# Altium PCB RFFE.PcbDoc (part 6 of 7)
Units mm, origin at the board's own origin, x right, y up, seen from the top; angles counter-clockwise.
Board outline 301.13 x 195.92 mm, 10 copper layers (RFsignal Top, Ground RF signal, Supply, SupplyGND, Digital signal, DigitalGND, CallTone RF, Ground Calltone, Ground RF signal (Plane6), RFsignal Bottom), stack 1.907 mm thick; 558 components, 369 nets, 2153 pads, 4580 vias.
Unrouted connection lines stored in the file: 1.
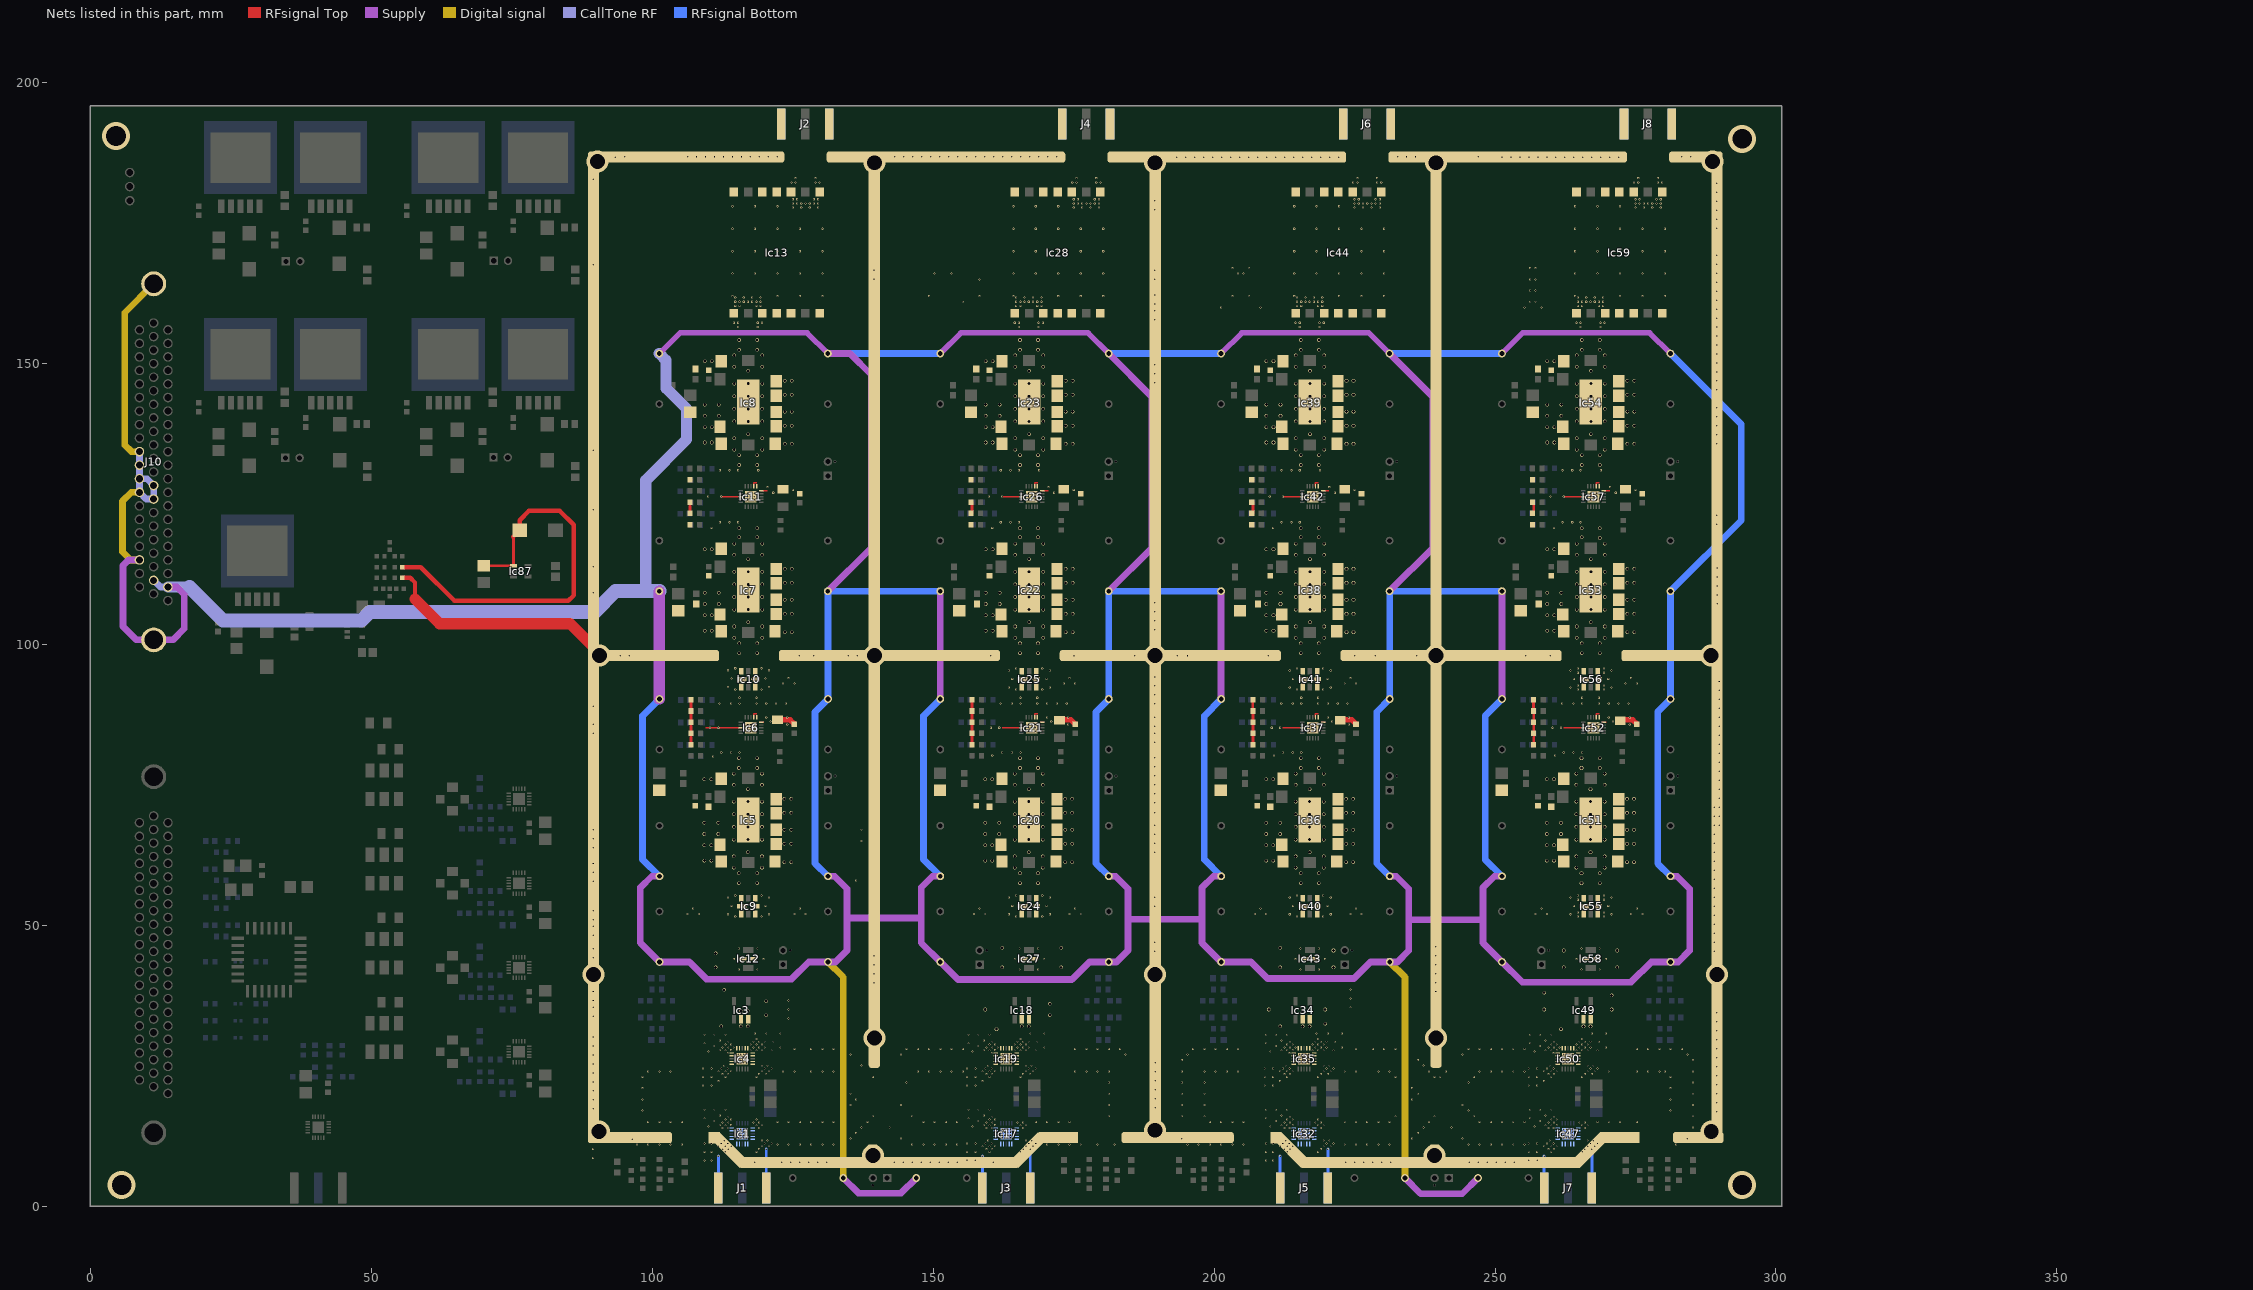
[diagram p14: the nets of this part, all layers, seen from the top]

## Via types
v1: diameter 0.35, hole 0.254, RFsignal Top to RFsignal Bottom, 1882 vias
v2: diameter 0.635, hole 0.508, RFsignal Top to RFsignal Bottom, 1038 vias
v3: diameter 0.33, hole 0.254, RFsignal Top to RFsignal Bottom, 963 vias
v4: diameter 0.381, hole 0.254, RFsignal Top to RFsignal Bottom, 596 vias
v5: diameter 1.27, hole 0.762, RFsignal Top to RFsignal Bottom, 41 vias
v6: diameter 3.9, hole 2.65, RFsignal Top to RFsignal Bottom, 20 vias
v7: diameter 0.85, hole 0.8, RFsignal Top to RFsignal Bottom, 15 vias
v8: diameter 0.635, hole 0.508, RFsignal Top to RFsignal Bottom, tented bottom, 9 vias
v9: diameter 0.6, hole 0.508, RFsignal Top to RFsignal Bottom, 8 vias
v10: diameter 5, hole 3.5, RFsignal Top to RFsignal Bottom, 4 vias
v11: diameter 1.1, hole 1, RFsignal Top to RFsignal Bottom, 2 vias
v12: diameter 1.27, hole 0.762, RFsignal Top to RFsignal Bottom, tented top, 1 vias
v13: diameter 0.85, hole 0.8, RFsignal Top to RFsignal Bottom, tented top, 1 vias

## Nets (pads, with @x,y where several pads share a name; then routed paths per layer and width w, separated by ;. In a path a pad name is that pad's centre, name@x,y a point inside that pad or via, vN(x,y) a via of type N, cw(c..) or ccw(c..) an arc to the next point about the centre after c; other vN are vias at no path point) (continued)
RFGND: C1.1 C2.2 C3.1 C4.2 C5.2 C6.2 C7.2 C22.2 C23.1 C24.1 C25.2 C26.2 C27.2 C28.2 C43.2 C44.2 C45.1 C46.2 C47.2 C48.2 C49.2 C64.1 C65.2 C66.1 C67.2 C68.2 C69.2 C70.2 C131.2 C132.2 C133.2 C134.2 C135.2 C136.2 C137.2 C138.2 C139.2 C140.2 C141.2 C142.2 C143.2 C144.2 C145.2 C146.2 C147.2 C148.2 C149.2 C150.2 C151.2 C152.2 C153.2 C154.2 Ic1.1 Ic1.2 Ic1.4 Ic1.5 Ic1.6 Ic1.7 Ic1.9 Ic1.10 Ic1.11 Ic1.12 Ic1.14 Ic1.15 Ic1.21 Ic3.1 Ic3.2 Ic4.1 Ic4.2 Ic4.4 Ic4.5 Ic4.6 Ic4.7 Ic4.9 Ic4.10 Ic4.11 Ic4.12 Ic4.14 Ic4.15 Ic4.21 Ic5.1 Ic5.2 Ic5.3 Ic5.4 Ic5.6 Ic5.8 Ic5.9 Ic5.11 Ic5.12 Ic6.10 Ic6.11 Ic6.12 Ic6.18 Ic6.21 Ic7.1 Ic7.2 Ic7.3 Ic7.4 Ic7.6 Ic7.8 Ic7.9 Ic7.11 Ic7.12 Ic8.1 Ic8.2 Ic8.3 Ic8.4 Ic8.6 Ic8.8 Ic8.9 Ic8.11 Ic8.12 Ic9.1 Ic9.3 Ic9.4 Ic9.5 Ic9.7 Ic9.8 Ic10.1 Ic10.3 Ic10.4 Ic10.5 Ic10.7 Ic10.8 Ic11.10 Ic11.11 Ic11.12 Ic11.18 Ic11.21 Ic12.2 Ic12.4 Ic13.1 Ic13.3 Ic13.4 Ic13.5 Ic13.7 Ic13.8 Ic13.10 Ic13.11 Ic13.12 Ic13.14 Ic17.1 Ic17.2 Ic17.4 Ic17.5 Ic17.6 Ic17.7 Ic17.9 Ic17.10 Ic17.11 Ic17.12 Ic17.14 Ic17.15 Ic17.21 Ic18.1 Ic18.2 Ic19.1 Ic19.2 Ic19.4 Ic19.5 Ic19.6 Ic19.7 Ic19.9 Ic19.10 Ic19.11 Ic19.12 Ic19.14 Ic19.15 Ic19.21 Ic20.1 Ic20.2 Ic20.3 Ic20.4 Ic20.6 Ic20.8 Ic20.9 Ic20.11 Ic20.12 Ic21.10 Ic21.11 Ic21.12 Ic21.18 Ic21.21 Ic22.1 Ic22.2 Ic22.3 Ic22.4 Ic22.6 Ic22.8 Ic22.9 Ic22.11 Ic22.12 Ic23.1 Ic23.2 Ic23.3 Ic23.4 Ic23.6 Ic23.8 Ic23.9 Ic23.11 Ic23.12 Ic24.1 Ic24.3 Ic24.4 Ic24.5 Ic24.7 Ic24.8 Ic25.1 Ic25.3 Ic25.4 Ic25.5 Ic25.7 Ic25.8 Ic26.10 Ic26.11 Ic26.12 Ic26.18 Ic26.21 Ic27.2 Ic27.4 Ic28.1 Ic28.3 Ic28.4 Ic28.5 Ic28.7 Ic28.8 Ic28.10 Ic28.11 Ic28.12 Ic28.14 Ic32.1 Ic32.2 Ic32.4 Ic32.5 Ic32.6 Ic32.7 Ic32.9 Ic32.10 Ic32.11 Ic32.12 Ic32.14 Ic32.15 Ic32.21 Ic34.1 Ic34.2 Ic35.1 Ic35.2 Ic35.4 Ic35.5 Ic35.6 Ic35.7 Ic35.9 Ic35.10 Ic35.11 Ic35.12 Ic35.14 Ic35.15 Ic35.21 Ic36.1 Ic36.2 Ic36.3 Ic36.4 Ic36.6 Ic36.8 Ic36.9 Ic36.11 Ic36.12 Ic37.10 Ic37.11 Ic37.12 Ic37.18 Ic37.21 Ic38.1 Ic38.2 Ic38.3 Ic38.4 Ic38.6 Ic38.8 Ic38.9 Ic38.11 Ic38.12 Ic39.1 Ic39.2 Ic39.3 Ic39.4 Ic39.6 Ic39.8 Ic39.9 Ic39.11 Ic39.12 Ic40.1 Ic40.3 Ic40.4 Ic40.5 Ic40.7 Ic40.8 Ic41.1 Ic41.3 Ic41.4 Ic41.5 Ic41.7 Ic41.8 Ic42.10 Ic42.11 Ic42.12 Ic42.18 Ic42.21 Ic43.2 Ic43.4 Ic44.1 Ic44.3 Ic44.4 Ic44.5 Ic44.7 Ic44.8 Ic44.10 Ic44.11 Ic44.12 Ic44.14 Ic47.1 Ic47.2 Ic47.4 Ic47.5 Ic47.6 Ic47.7 Ic47.9 Ic47.10 Ic47.11 Ic47.12 Ic47.14 Ic47.15 Ic47.21 Ic49.1 Ic49.2 Ic50.1 Ic50.2 Ic50.4 Ic50.5 Ic50.6 Ic50.7 Ic50.9 Ic50.10 Ic50.11 Ic50.12 Ic50.14 Ic50.15 Ic50.21 Ic51.1 Ic51.2 Ic51.3 Ic51.4 Ic51.6 Ic51.8 Ic51.9 Ic51.11 Ic51.12 Ic52.10 Ic52.11 Ic52.12 Ic52.18 Ic52.21 Ic53.1 Ic53.2 Ic53.3 Ic53.4 Ic53.6 Ic53.8 Ic53.9 Ic53.11 Ic53.12 Ic54.1 Ic54.2 Ic54.3 Ic54.4 Ic54.6 Ic54.8 Ic54.9 Ic54.11 Ic54.12 Ic55.1 Ic55.3 Ic55.4 Ic55.5 Ic55.7 Ic55.8 Ic56.1 Ic56.3 Ic56.4 Ic56.5 Ic56.7 Ic56.8 Ic57.10 Ic57.11 Ic57.12 Ic57.18 Ic57.21 Ic58.2 Ic58.4 Ic59.1 Ic59.3 Ic59.4 Ic59.5 Ic59.7 Ic59.8 Ic59.10 Ic59.11 Ic59.12 Ic59.14 J1.1 J1.2 J1.3 J1.4 J2.1 J2.2 J2.3 J2.4 J3.1 J3.2 J3.3 J3.4 J4.1 J4.2 J4.3 J4.4 J5.1 J5.2 J5.3 J5.4 J6.1 J6.2 J6.3 J6.4 J7.1 J7.2 J7.3 J7.4 J8.1 J8.2 J8.3 J8.4 Jmp6.1 pad.0 R1.1 R2.1 R3.1 R4.1 R5.1 R7.1 R8.1 R9.1 R12.1 R51.1 R52.1 R53.1 R54.1 R55.1 R57.1 R58.1 R59.1 R62.1 R99.1 R100.1 R101.1 R102.1 R103.1 R105.1 R106.1 R107.1 R110.1 R149.1 R150.1 R151.1 R152.1 R153.1 R155.1 R156.1 R157.1 R160.1 | length 193.7
  RFsignal Top w0.254: 109.5,85.15 Ic6.18@115.695,85.15 ; v4(112.25,126.32) Ic11.18@115.695,126.32 ; Ic6.12@118.04,86.995 118.04,87.615 118.555,87.615 ; Ic11.12@118.04,128.165 118.04,128.785 118.555,128.785 ; Ic6.10@119.04,86.15 Ic6.10@119.78,86.15 ; Ic11.10@119.385,127.32 120.438,127.32 ; 162.25,85.15 Ic21.18@165.695,85.15 ; v4(162.25,126.32) Ic26.18@165.695,126.32 ; Ic21.12@168.04,86.995 168.04,87.615 168.555,87.615 ; Ic26.12@168.04,128.165 168.04,128.785 168.555,128.785 ; Ic21.10@169.04,86.15 Ic21.10@169.78,86.15 ; Ic26.10@169.385,127.32 170.438,127.32 ; 212.25,85.15 Ic37.18@215.695,85.15 ; v4(212.25,126.32) Ic42.18@215.695,126.32 ; Ic37.12@218.04,86.995 218.04,87.615 218.555,87.615 ; Ic42.12@218.04,128.165 218.04,128.785 218.555,128.785 ; Ic37.10@219.04,86.15 Ic37.10@219.78,86.15 ; Ic42.10@219.385,127.32 220.438,127.32 ; 262.25,85.15 Ic52.18@265.695,85.15 ; v4(262.25,126.32) Ic57.18@265.695,126.32 ; Ic57.21@267.54,126.32 Ic57.21@267.54,126.933 ; Ic52.12@268.04,86.995 268.04,87.615 268.555,87.615 ; Ic57.12@268.04,128.144 Ic57.12@268.04,128.165 268.04,128.785 268.555,128.785 ; Ic57.11@268.54,128.144 Ic57.11@268.54,128.165 ; Ic52.10@269.04,86.15 Ic52.10@269.78,86.15 ; Ic57.10@269.385,127.32 270.438,127.32
  RFsignal Top w0.508: R2.1@106.7,123.32 R4.1@106.7,125.32 ; R8.1@106.869,129.32 R8.1@106.89,129.32 ; R3.1@106.89,84.15 R1.1@106.89,82.15 R5.1@106.89,86.15 R7.1@106.89,88.15 106.869,88.15 106.869,90.15 R9.1@106.89,90.15 ; R58.1@156.869,129.32 R58.1@156.89,129.32 ; R51.1@156.89,82.15 R57.1@156.89,88.15 156.869,88.15 156.869,90.15 R59.1@156.89,90.15 ; R52.1@156.89,123.32 R54.1@156.89,125.32 ; R106.1@206.869,129.32 R106.1@206.89,129.32 ; R99.1@206.89,82.15 R105.1@206.89,88.15 206.869,88.15 206.869,90.15 R107.1@206.89,90.15 ; R100.1@206.89,123.32 R102.1@206.89,125.32 ; R156.1@256.869,129.32 R156.1@256.89,129.32 ; R149.1@256.89,82.15 R155.1@256.89,88.15 256.869,88.15 256.869,90.15 R157.1@256.89,90.15 ; R150.1@256.89,123.32 R152.1@256.89,125.32
  RFsignal Top w0.762: Jmp6.1@55.531,111.85 56.886,111.85 57.731,111.005 57.731,108.069
  RFsignal Top w0.965: C4.2@122.25,86.55 124.5,86.55 C5.2@125.25,85.8 ; C25.2@172.25,86.55 174.5,86.55 C26.2@175.25,85.8 ; C46.2@222.25,86.55 224.5,86.55 C47.2@225.25,85.8 ; C67.2@272.25,86.55 274.5,86.55 C68.2@275.25,85.8
  RFsignal Top w2: 57.731,108.069 62.11,103.69 85.33,103.69 pad.0@89.5,99.52
  RFsignal Bottom w0.508: J1.2@111.751,3.25 v3(111.75,8.9) ; J1.1@120.251,3.25 v3@120.251,10.149 ; J3.2@158.751,3.25 v3(158.75,8.9) ; J3.1@167.251,3.25 v3@167.251,10.149 ; J5.2@211.751,3.25 v3(211.75,8.9) ; J5.1@220.251,3.25 v3@220.251,10.149 ; J7.2@258.751,3.25 v3(258.75,8.9) ; J7.1@267.251,3.25 v3@267.251,10.149
  other v1: 118.25,7.8 123.05,7.8 124.65,7.8 126.25,7.8 127.85,7.8 129.45,7.8 131.05,7.8 143.05,7.8 144.65,7.8 146.25,7.8 147.85,7.8 149.45,7.8 151.05,7.8 152.65,7.8 154.25,7.8 160.65,7.8 223.45,7.8 225.05,7.8 226.65,7.8 228.25,7.8 229.85,7.8 231.45,7.8 245.45,7.8 247.05,7.8 248.65,7.8 250.25,7.8 251.85,7.8 253.45,7.8 89.45,8.6 89.45,10.2 97.25,11 99.25,11 101.25,11 103.25,11 105.25,11 122.25,11 124.25,11 126.25,11 128.25,11 130.25,11 132.25,11 146.25,11 148.25,11 150.25,11 152.25,11 154.25,11 170.25,11 172.25,11 174.25,11 176.25,11 179.25,11 182.25,11 195.25,11 197.25,11 199.25,11 201.25,11 203.25,11 205.25,11 223.25,11 225.25,11 227.25,11 229.25,11 231.25,11 245.25,11 247.25,11 249.25,11 251.25,11 253.25,11 255.25,11 282.25,11 96.37,11.91 135.25,12 144.25,12 194.25,12 235.25,12 244.25,12 284.25,12 136.25,13 236.25,13 137.25,14 142.25,14 237.25,14 242.25,14 285.25,14 99.25,15 101.25,15 103.25,15 105.25,15 122.25,15 124.25,15 126.25,15 128.25,15 130.25,15 132.25,15 138.25,15 148.25,15 150.25,15 152.25,15 154.25,15 168.25,15 170.25,15 172.25,15 174.25,15 199.25,15 201.25,15 203.25,15 205.25,15 223.25,15 225.25,15 227.25,15 229.25,15 231.25,15 238.25,15 247.25,15 249.25,15 251.25,15 253.25,15 255.25,15 268.25,15 270.25,15 272.25,15 275.25,15 139.25,16 146.25,16 181.25,16 194.25,16 198.25,16 232.25,16 239.25,16 246.25,16 285.25,16 289.45,16.8 98.25,17 245.25,17 281.25,17 89.45,17.3 189.55,17.5 135.25,18 144.25,18 181.25,18 194.25,18 198.25,18 244.25,18 285.25,18 289.45,18.4 89.45,18.9 98.25,19 136.25,19 235.25,19 281.25,19 189.55,19.1 135.25,20 181.25,20 194.25,20 198.25,20 236.25,20 285.25,20 289.45,20 89.45,20.5 189.55,20.7 98.25,21 235.25,21 281.25,21 289.45,21.6 145.25,22 181.25,22 194.25,22 198.25,22 245.25,22 285.25,22 89.45,22.1 189.55,22.3 98.25,23 139.25,23 232.25,23 239.25,23 240.25,23 246.25,23 281.25,23 289.45,23.2 89.45,23.7 189.55,23.9 99.25,24 101.25,24 103.25,24 123.25,24 125.25,24 128.25,24 130.25,24 132.25,24 147.25,24 149.25,24 151.25,24 153.25,24 155.25,24 175.25,24 177.25,24 179.25,24 181.25,24 194.25,24 198.25,24 200.25,24 202.25,24 204.25,24 223.25,24 225.25,24 229.25,24 231.25,24 238.25,24 241.25,24 247.25,24 249.25,24 251.25,24 253.25,24 255.25,24 270.25,24 275.25,24 277.25,24 279.25,24 280.25,24 285.25,24 289.45,24.8 137.25,25 237.25,25 89.45,25.3 189.55,25.5 194.25,26 236.25,26 285.25,26 289.45,26.4 89.45,26.9 135.25,27 144.25,27 184.25,27 195.25,27 244.25,27 284.25,27 125.25,28 128.25,28 130.25,28 132.25,28 145.25,28 147.25,28 149.25,28 151.25,28 153.25,28 155.25,28 175.25,28 177.25,28 179.25,28 181.25,28 183.25,28 196.25,28 198.25,28 200.25,28 202.25,28 204.25,28 225.25,28 228.25,28 230.25,28 232.25,28 245.25,28 247.25,28 249.25,28 251.25,28 253.25,28 255.25,28 275.25,28 277.25,28 279.25,28 281.25,28 283.25,28 289.45,28 89.45,28.5 289.45,29.6 89.45,30.1 289.45,31.2 289.45,32.8 124.25,33.4 89.45,33.8 289.45,34.4 124.25,35 89.45,35.4 224.25,35.4 89.45,36.6 124.25,36.6 224.25,37 89.45,38.2 239.45,38.2 224.25,38.6 139.45,39.8 239.45,39.8 139.45,41.4 239.45,41.4 139.45,43 239.45,43 89.45,44.2 139.45,44.6 239.45,44.6 189.45,45.4 289.05,45.4 89.45,45.8 239.45,46.2 189.45,47 289.05,47 89.45,48.2 289.05,48.6 89.45,49.8 289.05,50.2 89.45,51 289.05,51.8 106.25,52 108.25,52 125.25,52 127.25,52 157.25,52 159.25,52 174.25,52 176.25,52 207.25,52 209.25,52 224.25,52 226.25,52 257.25,52 259.25,52 274.25,52 276.25,52 89.45,52.6 107.25,53 126.25,53 158.25,53 175.25,53 208.25,53 225.25,53 258.25,53 275.25,53 189.45,53.4 289.05,53.4 189.45,55 289.05,55 289.05,56.6 89.45,57.8 136.25,58 289.05,58.2 89.45,59.4 289.05,59.8 89.45,61 289.05,61.4 189.45,63 289.05,63 89.45,63.8 189.45,64.6 289.05,64.6 137.25,65 89.45,65.4 189.45,66.2 289.05,66.2 89.45,67 137.25,67 189.45,67.8 289.05,67.8 289.95,67.8 289.05,69.4 289.95,69.4 189.45,70 289.05,71 289.95,71 189.45,71.8 289.95,72.6 189.45,73.4 289.95,74.2 189.45,75 289.95,75.8 189.45,76.6 289.95,77.4 189.45,78.2 289.95,79 189.45,79.8 289.95,80.6 289.95,82.2 189.45,82.6 289.95,83.8 89.45,84.2 189.45,84.2 189.45,85.4 289.95,85.4 89.45,85.8 189.45,87 289.95,87 289.95,88.6 89.45,89 189.45,89.4 289.95,90.2 189.45,91 289.95,91.8 189.45,92.6 123.25,93 125.25,93 173.25,93 175.25,93 223.25,93 225.25,93 273.25,93 275.25,93 289.95,93.4 124.25,94 174.25,94 224.25,94 274.25,94 189.45,94.2 94.25,98 95.85,98 126.15,98 128.75,98 134.85,98 136.45,98 160.25,98 175.05,98 185.85,98 193.45,98 195.25,98 209.65,98 225.05,98 228.65,98 236.05,98 255.45,98 259.85,98 189.45,102.6 189.45,104.2 189.45,105.8 289.55,107.2 189.45,107.4 289.55,108.8 89.45,109.2 289.55,110.4 289.55,112 289.55,113.6 89.45,113.8 289.45,121.4 289.45,123 89.45,124 89.45,134.6 289.45,135.7 289.45,137.3 289.45,138.9 289.45,140.5 289.45,142.1 289.45,145.3 189.45,146.6 289.45,146.9 189.45,148.2 289.45,148.5 189.45,149.8 289.45,150.1 289.45,151.7 289.45,153.3 289.45,154.9 289.45,156.5 189.45,157.8 289.45,158.1 189.45,159.4 289.45,159.7 201.25,160 208.25,160 255.25,160 258.25,160 189.45,160.6 155.25,161 256.25,161 257.25,161 289.45,161.3 149.25,162 158.25,162 203.25,162 206.25,162 189.45,162.2 289.45,162.9 256.25,163 257.25,163 289.45,164.5 139.45,165 158.25,165 189.45,165 256.25,165 257.25,165 150.25,166 153.25,166 204.25,166 205.25,166 289.45,166.1 139.45,166.6 189.45,166.6 203.25,167 206.25,167 256.25,167 257.25,167 89.45,167.6 289.45,167.7 289.45,169.3 289.45,174.1 289.45,175.7 289.45,177.3 189.45,177.4 289.45,178.9 189.45,179 289.45,180.5 289.45,182.1 89.45,182.8 93.35,186.7 193.35,186.7 194.95,186.7 196.55,186.7 198.15,186.7 199.75,186.7 201.35,186.7 202.95,186.7 204.55,186.7 206.15,186.7 207.75,186.7 209.35,186.7 210.95,186.7 212.55,186.7 214.15,186.7 215.75,186.7 217.35,186.7 218.95,186.7 220.55,186.7 222.15,186.7 251.25,186.7 252.85,186.7 254.45,186.7 256.05,186.7 257.65,186.7 259.25,186.7 260.85,186.7 262.45,186.7 264.05,186.7 265.65,186.7 267.25,186.7 268.85,186.7 270.45,186.7 272.05,186.7 95.05,186.8 106.25,186.8 107.85,186.8 109.45,186.8 111.05,186.8 112.65,186.8 114.25,186.8 115.85,186.8 117.45,186.8 119.05,186.8 120.65,186.8 122.25,186.8 143.15,186.8 144.75,186.8 146.35,186.8 147.95,186.8 149.55,186.8 151.15,186.8 152.75,186.8 154.35,186.8 155.95,186.8 157.55,186.8 159.15,186.8 160.75,186.8 162.35,186.8 163.95,186.8 165.55,186.8 167.15,186.8 168.75,186.8 170.35,186.8 171.95,186.8 232.65,186.8 234.25,186.8 235.85,186.8 247.05,186.8 283.25,186.8 284.85,186.8
  other v2: 161.25,31.5 261.75,31.5 112.25,32 115.75,32 117,32 165.75,32 167,32 211.75,32 215.75,32 217,32 265.75,32 267,32 219.75,32.5 120.25,34 170.75,34 115.75,34.75 117,34.75 165.75,34.75 167,34.75 215.75,34.75 217,34.75 265.75,34.75 267,34.75 159.25,35 209.75,35 219.75,35 258.75,35 270.75,35 170.75,36 120.25,36.5 270.75,37.5 258.75,38 112.75,38.5 111.25,42.5 162.25,42.5 172.75,42.5 211.75,42.5 221.25,42.5 262.25,42.5 271.75,42.5 111.25,45 221.25,45.5 262.25,45.5 271.75,45.5 162.25,46 172.75,46 211.75,46 115.4,57.5 118.64,57.5 165.44,57.5 168.64,57.5 215.44,57.5 218.64,57.5 265.4,57.5 268.64,57.5 115.4,59.25 118.64,59.25 165.44,59.25 168.64,59.25 215.44,59.25 218.64,59.25 265.4,59.25 268.64,59.25 114.5,60.25 119.5,60.25 164.5,60.25 169.5,60.25 214.5,60.25 219.5,60.25 264.5,60.25 269.5,60.25 123.5,61.25 124.75,61.25 173.5,61.25 174.75,61.25 223.5,61.25 224.75,61.25 273.5,61.25 274.75,61.25 109.25,61.5 110.5,61.5 159.25,61.5 160.5,61.5 209.25,61.5 210.5,61.5 259.25,61.5 260.5,61.5 114.5,62.25 119.5,62.25 164.5,62.25 169.5,62.25 214.5,62.25 219.5,62.25 264.5,62.25 269.5,62.25 117,63 167,63 217,63 267,63 109.25,64.25 110.5,64.25 159.25,64.25 160.5,64.25 209.25,64.25 210.5,64.25 259.25,64.25 260.5,64.25 123.5,64.5 124.75,64.5 173.5,64.5 174.75,64.5 223.5,64.5 224.75,64.5 273.5,64.5 274.75,64.5 114.5,65.25 117,65.25 119.5,65.25 164.5,65.25 167,65.25 169.5,65.25 214.5,65.25 217,65.25 219.5,65.25 264.5,65.25 267,65.25 269.5,65.25 109.25,66.25 111.75,66.25 159.25,66.25 161.75,66.25 209.25,66.25 211.75,66.25 259.25,66.25 261.75,66.25 123.5,67 124.75,67 173.5,67 174.75,67 223.5,67 224.75,67 273.5,67 274.75,67 114.5,67.5 117,67.5 119.5,67.5 164.5,67.5 167,67.5 169.5,67.5 214.5,67.5 217,67.5 219.5,67.5 264.5,67.5 267,67.5 269.5,67.5 109.25,68.25 111.75,68.25 159.25,68.25 161.75,68.25 209.25,68.25 211.75,68.25 259.25,68.25 261.75,68.25 114.5,69.75 117,69.75 119.5,69.75 164.5,69.75 167,69.75 169.5,69.75 214.5,69.75 217,69.75 219.5,69.75 264.5,69.75 267,69.75 269.5,69.75 123.5,70 124.75,70 173.5,70 174.75,70 223.5,70 224.75,70 273.5,70 274.75,70 114.5,72 117,72 119.5,72 164.5,72 167,72 169.5,72 214.5,72 217,72 219.5,72 264.5,72 267,72 269.5,72 123.5,72.5 124.75,72.5 173.5,72.5 174.75,72.5 223.5,72.5 224.75,72.5 273.5,72.5 274.75,72.5 117,74.25 167,74.25 217,74.25 267,74.25 114.5,75 119.5,75 164.5,75 169.5,75 214.5,75 219.5,75 264.5,75 269.5,75 109.25,76 110.5,76 159.25,76 160.5,76 209.25,76 210.5,76 259.25,76 260.5,76 114.5,77 119.5,77 164.5,77 169.5,77 214.5,77 219.5,77 264.5,77 269.5,77 115.4,78 118.64,78 165.44,78 168.64,78 215.44,78 218.64,78 265.4,78 268.64,78 115.4,79.75 118.64,79.75 165.44,79.75 168.64,79.75 215.44,79.75 218.64,79.75 265.4,79.75 268.64,79.75 115.462,98.437 118.64,98.437 165.44,98.437 168.64,98.437 215.44,98.437 218.64,98.437 265.462,98.437 268.64,98.437 115.462,100.187 118.64,100.187 165.44,100.187 168.64,100.187 215.44,100.187 218.64,100.187 265.462,100.187 268.64,100.187 114.563,101.187 119.562,101.187 164.563,101.187 169.562,101.187 214.563,101.187 219.562,101.187 264.563,101.187 269.563,101.187 123.562,102.187 124.813,102.187 173.562,102.187 174.812,102.187 223.562,102.187 224.812,102.187 273.562,102.187 274.812,102.187 109.312,102.438 110.563,102.438 159.312,102.438 160.563,102.438 209.312,102.438 210.563,102.438 259.312,102.438 260.563,102.438 114.563,103.187 119.562,103.187 164.563,103.187 169.562,103.187 214.563,103.187 219.562,103.187 264.563,103.187 269.563,103.187 117.062,103.937 167.062,103.937 217.062,103.937 267.062,103.937 109.312,105.187 110.563,105.187 159.312,105.187 160.563,105.187 209.312,105.187 210.563,105.187 259.312,105.187 260.563,105.187 123.562,105.438 124.813,105.438 173.562,105.438 174.812,105.438 223.562,105.438 224.812,105.438 273.562,105.438 274.812,105.438 114.563,106.188 117.062,106.188 119.562,106.188 164.563,106.188 167.062,106.188 169.562,106.188 214.563,106.188 217.062,106.188 219.562,106.188 264.563,106.188 267.062,106.188 269.563,106.188 109.312,107.188 111.812,107.188 159.312,107.188 161.813,107.188 209.312,107.188 211.813,107.188 259.312,107.188 261.813,107.188 123.562,107.937 124.813,107.937 173.562,107.937 174.812,107.937 223.562,107.937 224.812,107.937 273.562,107.937 274.812,107.937 114.563,108.438 117.062,108.438 119.562,108.438 164.563,108.438 167.062,108.438 169.562,108.438 214.563,108.438 217.062,108.438 219.562,108.438 264.563,108.438 267.062,108.438 269.563,108.438 109.312,109.188 111.812,109.188 159.312,109.188 161.813,109.188 209.312,109.188 211.813,109.188 259.312,109.188 261.813,109.188 114.563,110.687 117.062,110.687 119.562,110.687 164.563,110.687 167.062,110.687 169.562,110.687 214.563,110.687 217.062,110.687 219.562,110.687 264.563,110.687 267.062,110.687 269.563,110.687 123.562,110.937 124.813,110.937 173.562,110.937 174.812,110.937 223.562,110.937 224.812,110.937 273.562,110.937 274.812,110.937 114.563,112.938 117.062,112.937 119.562,112.938 164.563,112.938 167.062,112.937 169.562,112.938 214.563,112.938 217.062,112.937 219.562,112.938 264.563,112.938 267.062,112.937 269.563,112.938 123.562,113.437 124.813,113.437 173.562,113.437 174.812,113.437 223.562,113.437 224.812,113.437 273.562,113.437 274.812,113.437 117.062,115.188 167.062,115.188 217.062,115.188 267.062,115.188 114.563,115.938 119.562,115.938 164.563,115.938 169.562,115.938 214.563,115.938 219.562,115.938 264.563,115.938 269.563,115.938 109.312,116.938 110.563,116.938 159.312,116.938 160.563,116.938 209.312,116.938 210.563,116.938 259.312,116.938 260.563,116.938 114.563,117.938 119.562,117.938 164.563,117.938 169.562,117.938 214.563,117.938 219.562,117.938 264.563,117.938 269.563,117.938 268.64,118.938 115.44,119.078 118.64,119.078 165.44,119.078 168.64,119.078 215.44,119.078 218.64,119.078 265.44,119.078 115.44,120.688 118.64,120.688 165.44,120.688 168.64,120.688 215.44,120.688 218.64,120.688 265.44,120.688 268.64,120.688 115.44,131.937 118.64,131.937 165.44,131.937 168.64,131.937 215.44,131.937 218.64,131.937 265.462,131.937 268.64,131.937 115.44,133.687 118.64,133.687 165.44,133.687 168.64,133.687 215.44,133.687 218.64,133.687 265.462,133.687 268.64,133.687 114.563,134.687 119.562,134.687 164.563,134.687 169.562,134.687 214.563,134.687 219.562,134.687 264.563,134.687 269.563,134.687 123.562,135.687 124.813,135.687 173.562,135.687 174.812,135.687 223.562,135.687 224.812,135.687 273.562,135.687 274.812,135.687 109.312,135.937 110.563,135.937 159.312,135.937 160.563,135.937 209.312,135.937 210.563,135.937 259.312,135.937 260.563,135.937 114.563,136.687 119.562,136.687 164.563,136.687 169.562,136.687 214.563,136.687 219.562,136.687 264.563,136.687 269.563,136.687 117.062,137.438 167.062,137.438 217.062,137.438 267.062,137.438 109.312,138.687 110.563,138.687 159.312,138.687 160.563,138.687 209.312,138.687 210.563,138.687 259.312,138.687 260.563,138.687 123.562,138.938 124.813,138.938 173.562,138.938 174.812,138.938 223.562,138.938 224.812,138.938 273.562,138.938 274.812,138.938 114.563,139.687 117.062,139.687 119.562,139.687 164.563,139.687 167.062,139.687 169.562,139.687 214.563,139.687 217.062,139.687 219.562,139.687 264.563,139.687 267.062,139.687 269.563,139.687 109.312,140.687 111.812,140.687 159.312,140.687 161.813,140.687 209.312,140.687 211.813,140.687 259.312,140.687 261.813,140.687 123.562,141.437 124.813,141.437 173.562,141.437 174.812,141.437 223.562,141.437 224.812,141.437 273.562,141.437 274.812,141.437 114.563,141.938 117.062,141.938 119.562,141.938 164.563,141.938 167.062,141.938 169.562,141.938 214.563,141.938 217.062,141.938 219.562,141.938 264.563,141.938 267.062,141.938 269.563,141.938 109.312,142.687 111.812,142.687 159.312,142.687 161.813,142.687 209.312,142.687 211.813,142.687 259.312,142.687 261.813,142.687 114.563,144.187 117.062,144.187 119.562,144.187 164.563,144.187 167.062,144.187 169.562,144.187 214.563,144.187 217.062,144.187 219.562,144.187 264.563,144.187 267.062,144.187 269.563,144.187 123.562,144.437 124.813,144.437 173.562,144.437 174.812,144.437 223.562,144.437 224.812,144.437 273.562,144.437 274.812,144.437 114.563,146.437 117.062,146.437 119.562,146.437 164.563,146.437 167.062,146.437 169.562,146.437 214.563,146.437 217.062,146.437 219.562,146.437 264.563,146.437 267.062,146.437 269.563,146.437 123.562,146.938 124.813,146.938 173.562,146.938 174.812,146.938 223.562,146.938 224.812,146.938 273.562,146.938 274.812,146.938 117.062,148.688 167.062,148.688 217.062,148.688 267.062,148.688 114.563,149.437 119.562,149.437 164.563,149.437 169.562,149.437 214.563,149.437 219.562,149.437 264.563,149.437 269.563,149.437 109.312,150.437 110.563,150.437 159.312,150.437 160.563,150.437 209.312,150.437 210.563,150.437 259.312,150.437 260.563,150.437 114.563,151.438 119.562,151.438 164.563,151.438 169.562,151.438 214.563,151.438 219.562,151.438 264.563,151.438 269.563,151.438 115.44,152.438 118.64,152.438 165.44,152.438 168.64,152.438 215.44,152.438 218.64,152.438 265.462,152.438 268.64,152.438 115.44,154.187 118.64,154.187 165.44,154.187 168.64,154.187 215.44,154.187 218.64,154.187 265.462,154.187 268.64,154.187